# Altium PCB CDH_PCB_reva02.PcbDoc (part 1 of 2)
Units mil, origin at the board's own origin, x right, y up, seen from the top; angles counter-clockwise.
Board outline 4710 x 6365 mil, 4 copper layers (Component Side, Ground Plane, Power Plane, Solder Side), stack 60.8 mil thick; 142 components, 114 nets, 657 pads, 193 vias.
Unrouted connection lines stored in the file: 13.
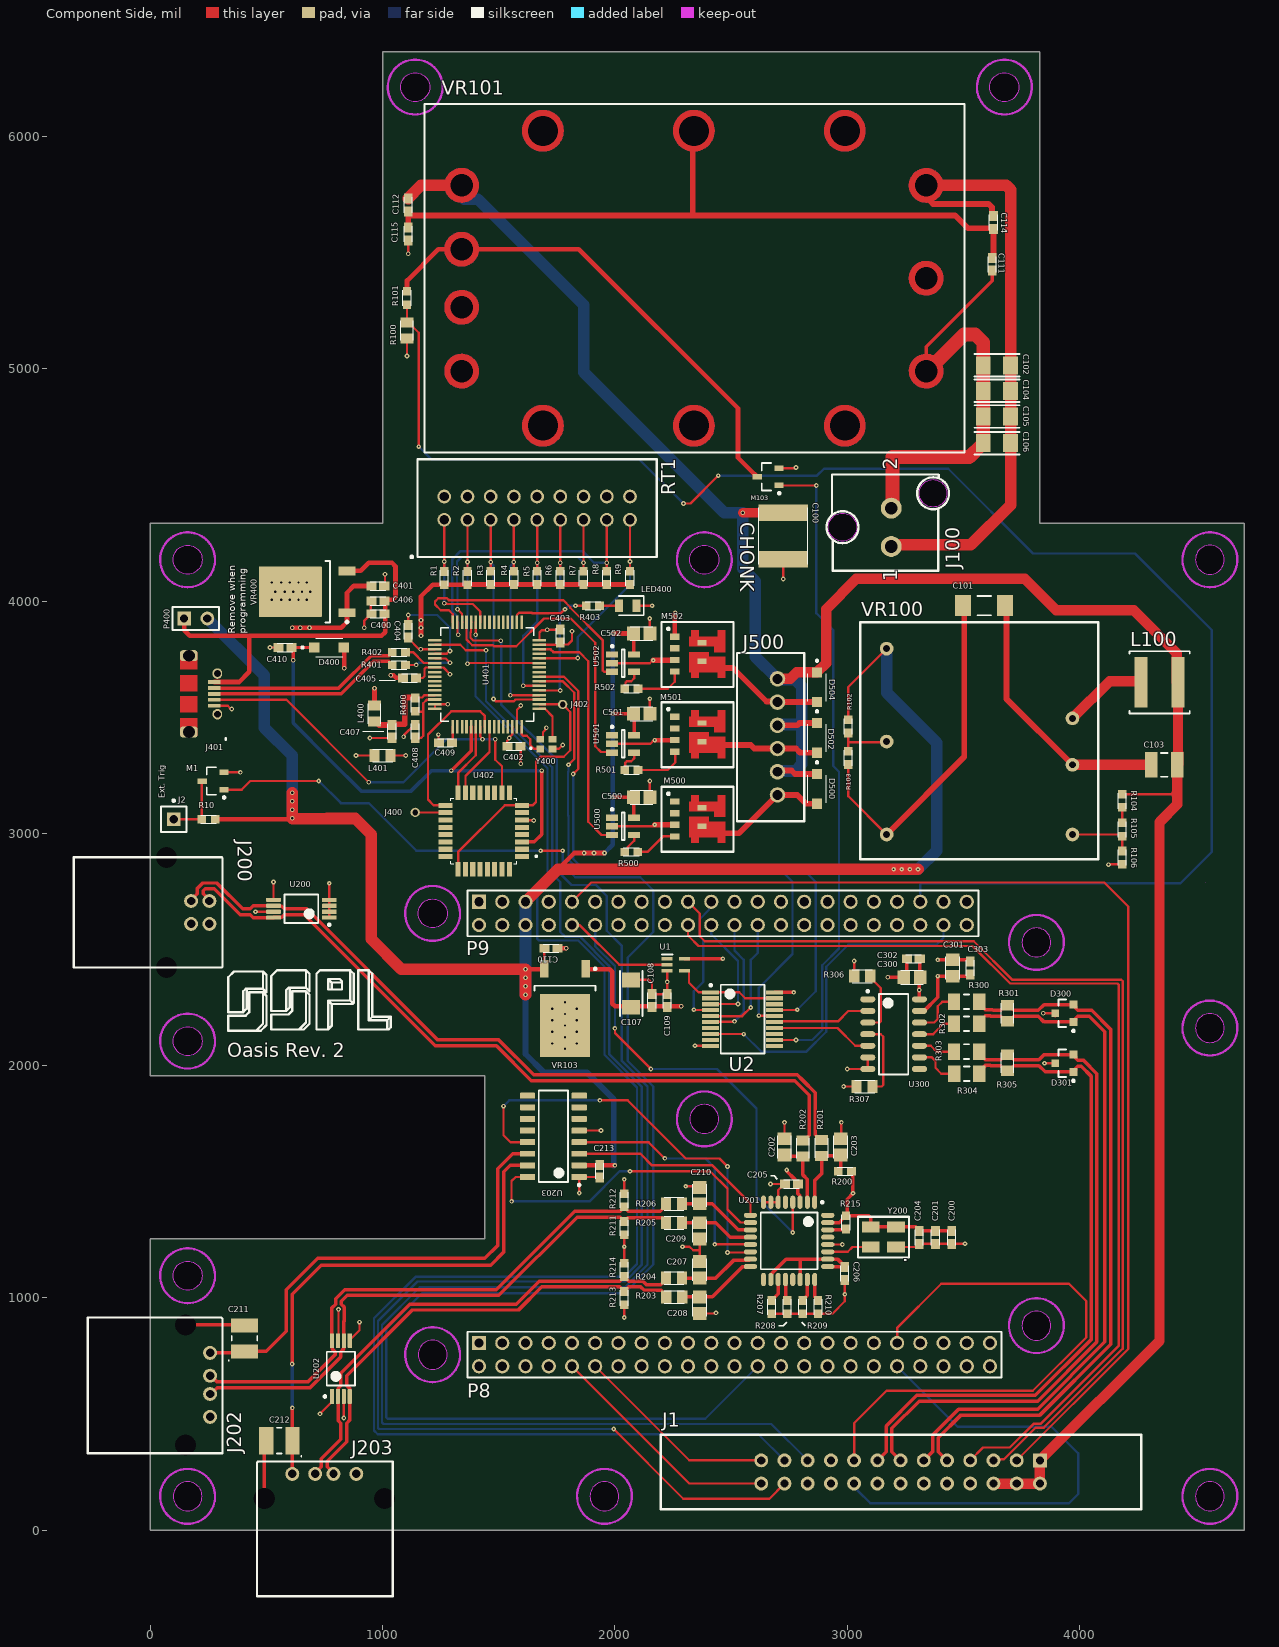
[diagram p0: Component Side view]
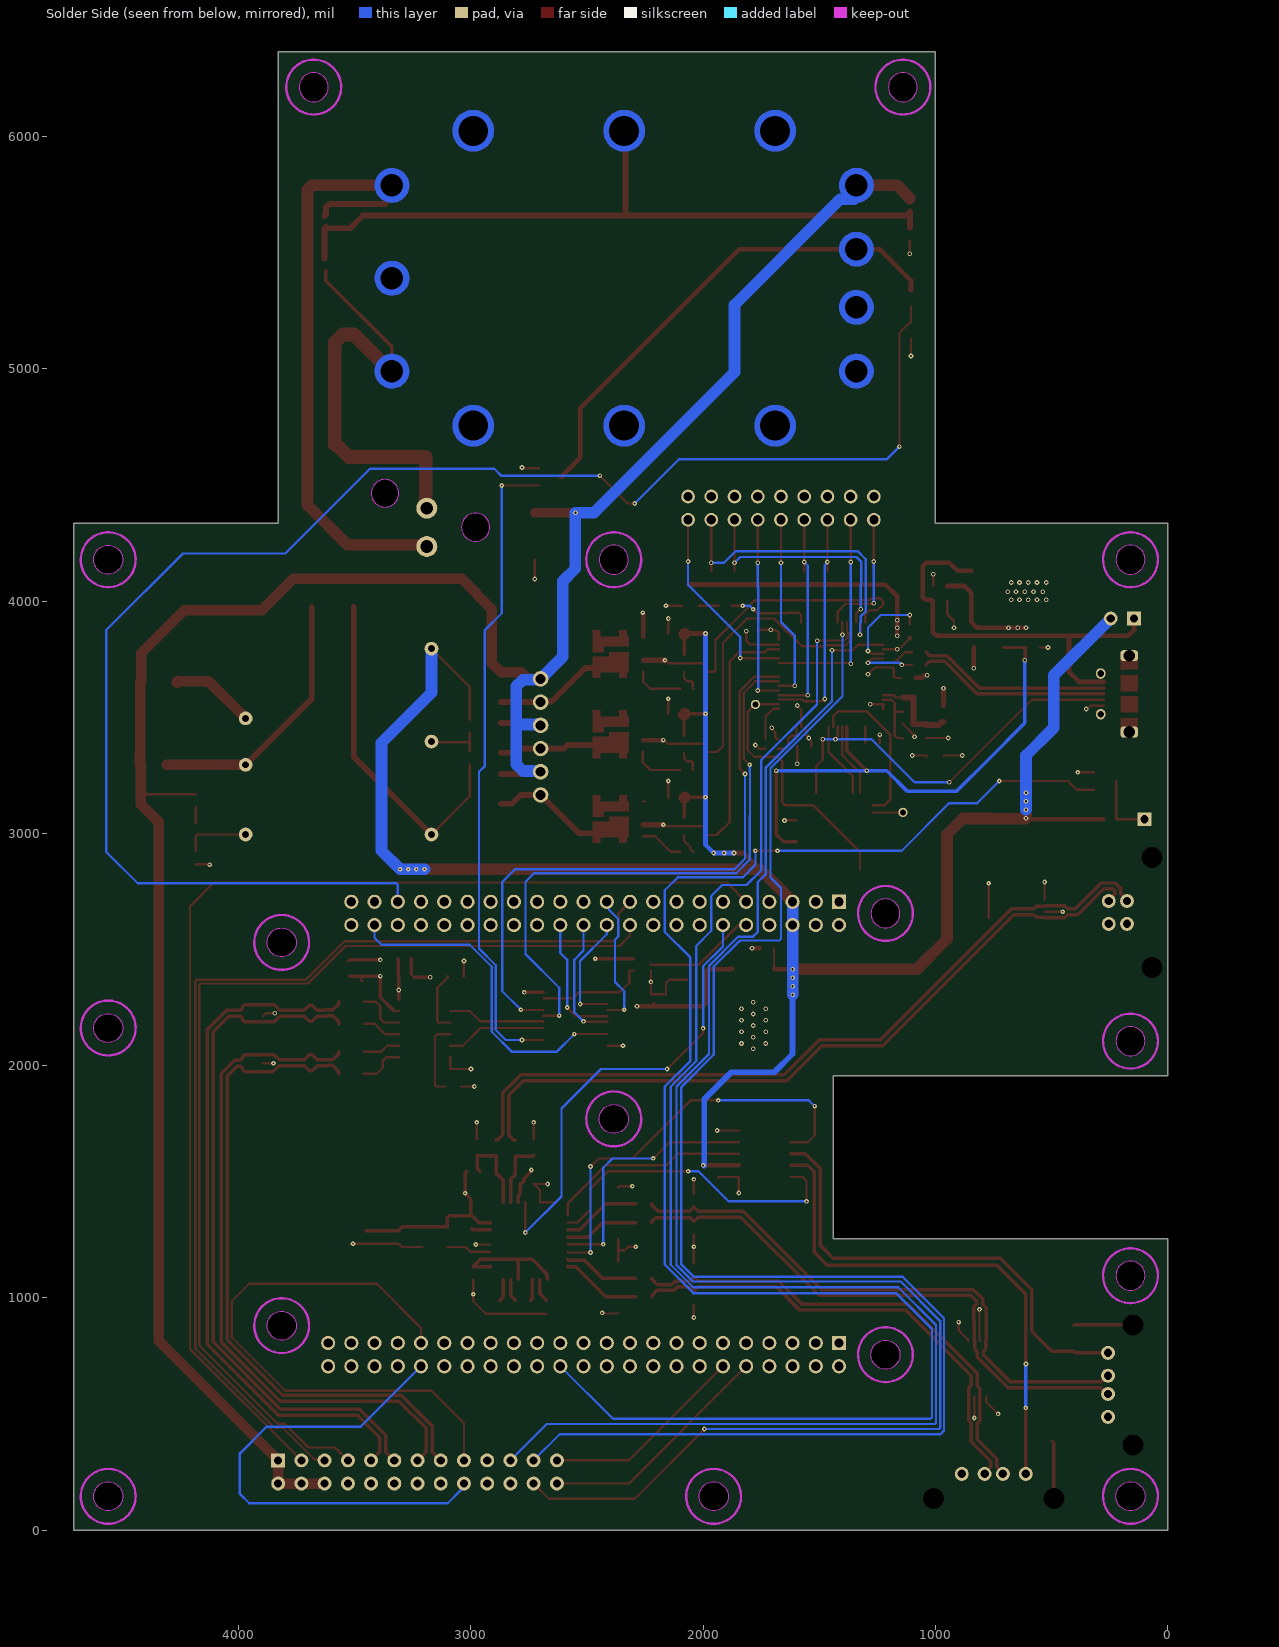
[diagram p1: Solder Side view, seen from below]
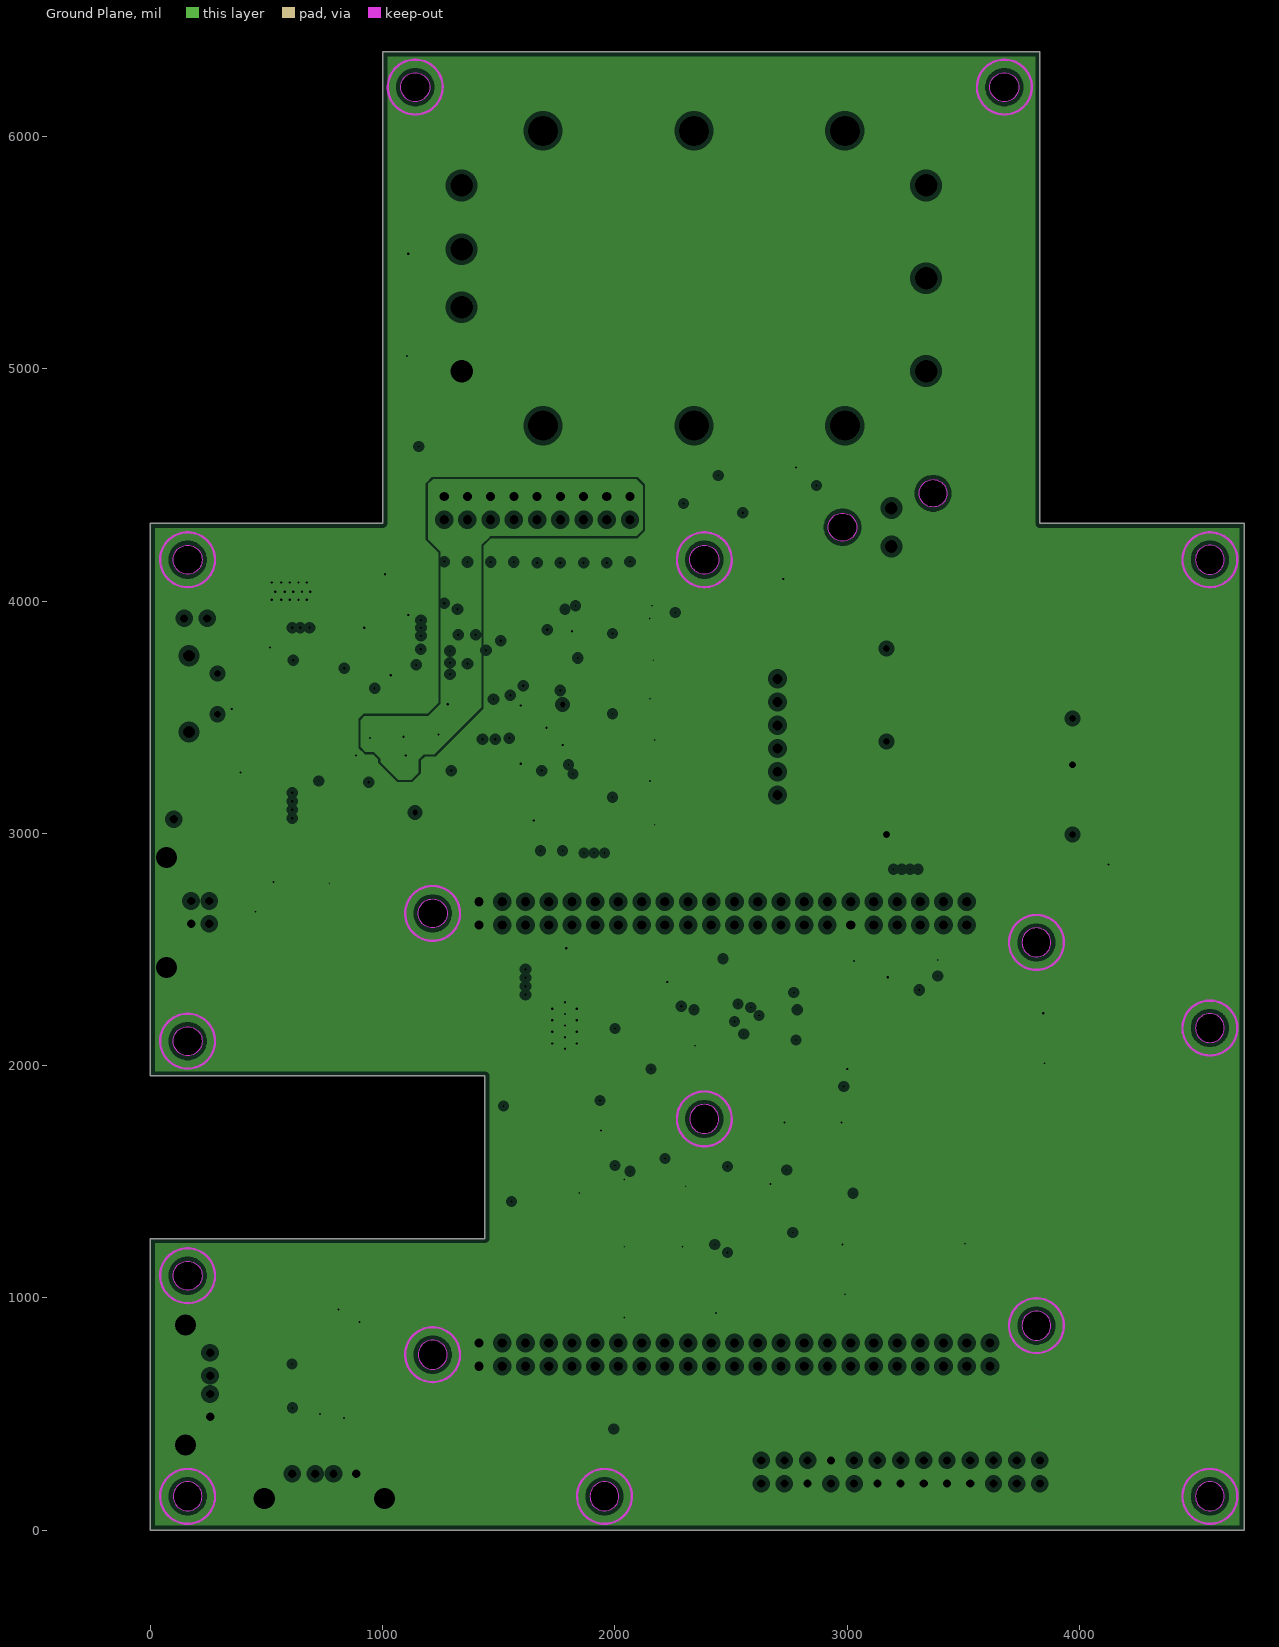
[diagram p2: Ground Plane, clearances drawn from the general rule]
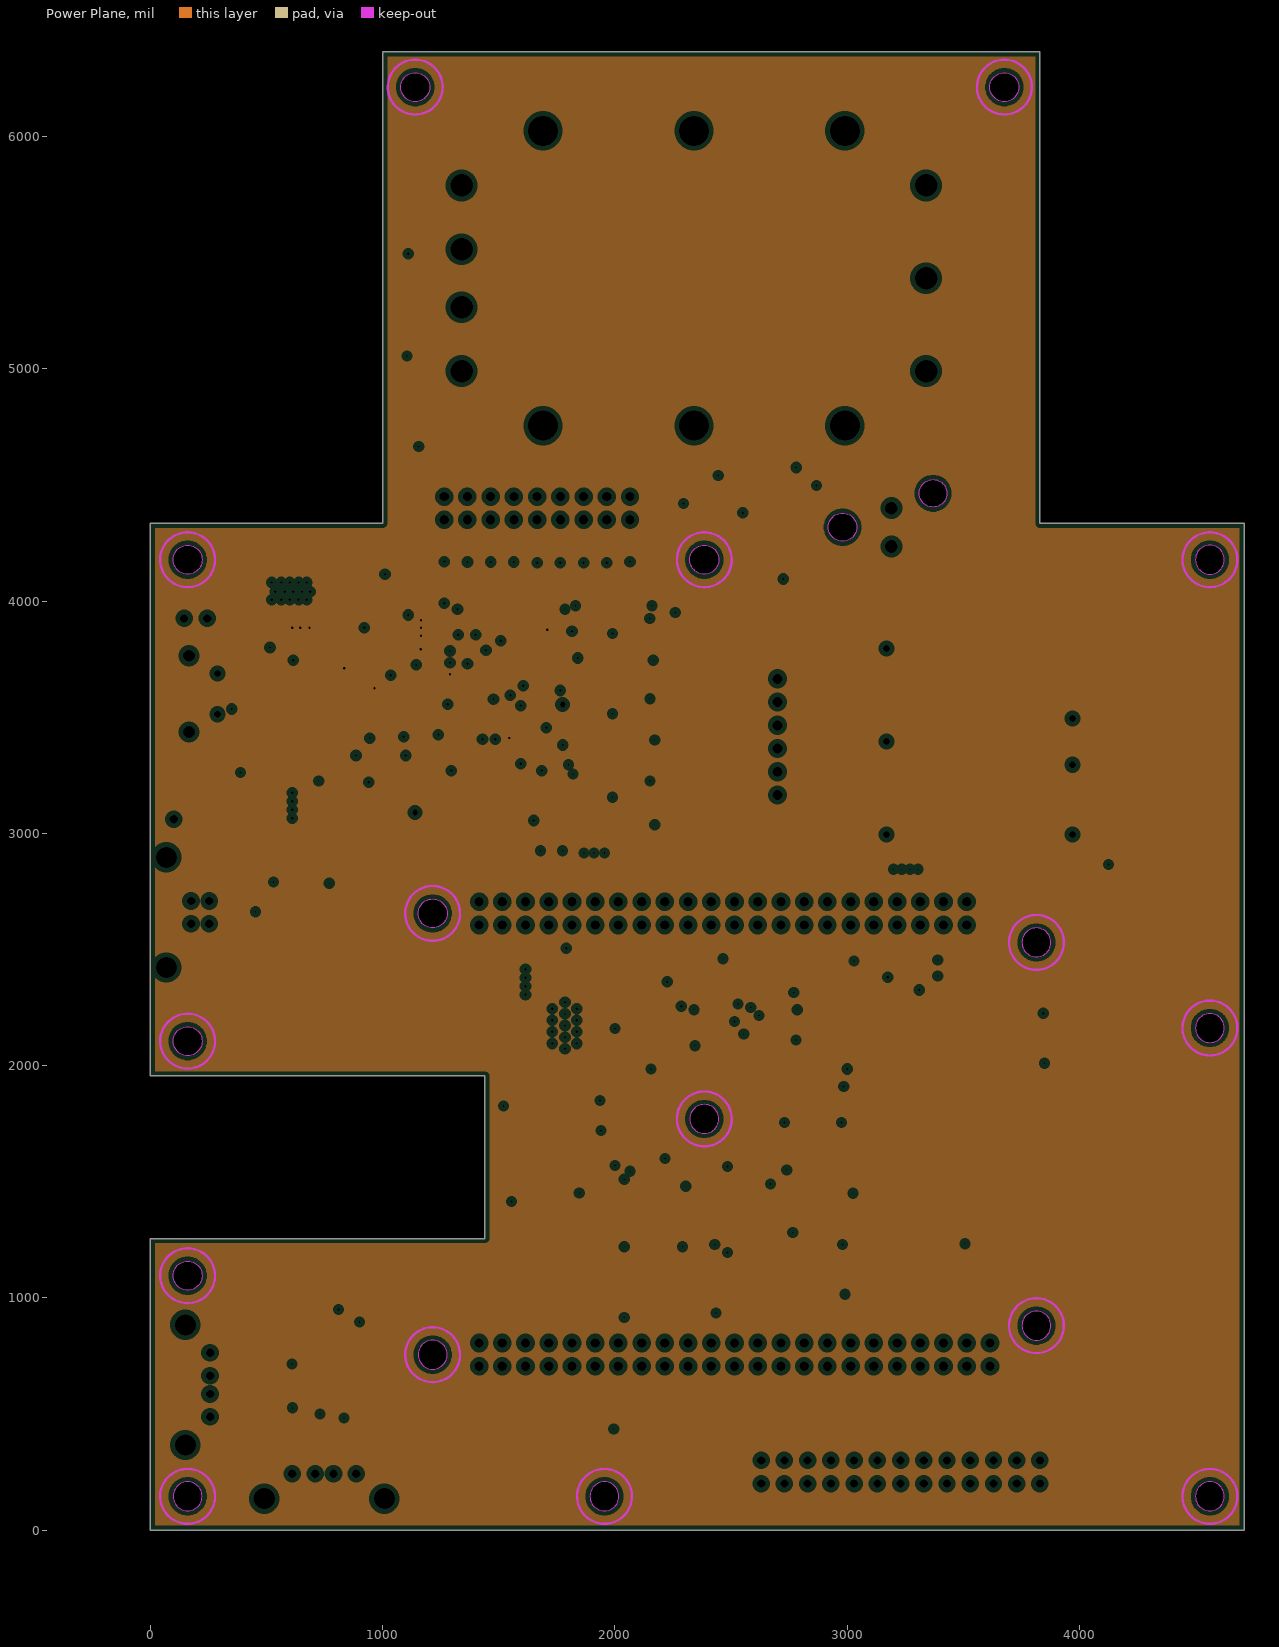
[diagram p3: Power Plane, clearances drawn from the general rule]
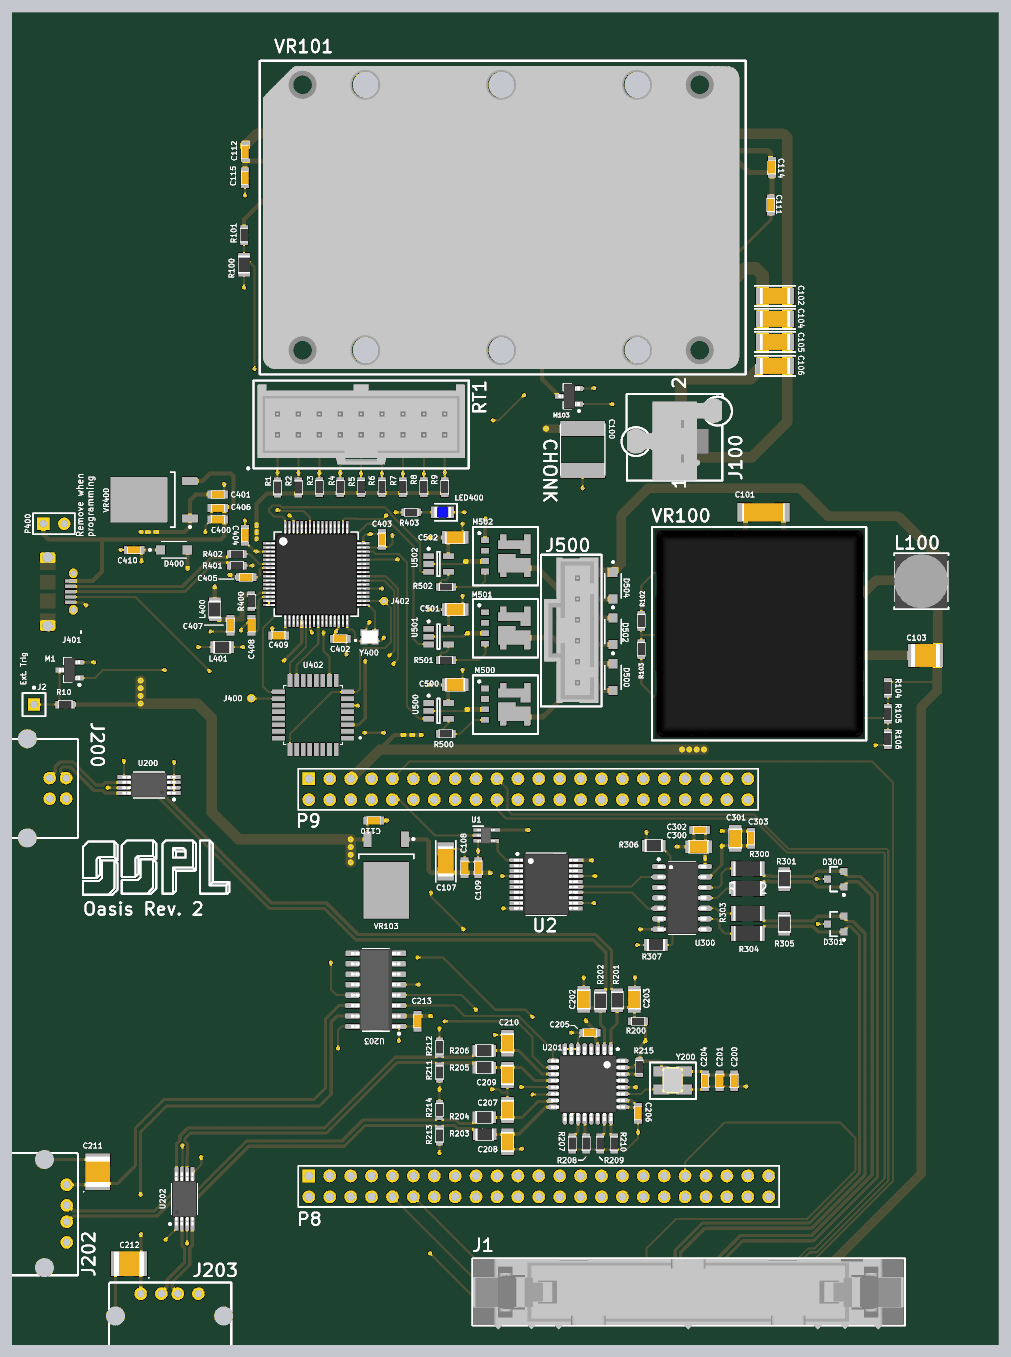
[diagram p5: 3D render of the assembled board from above, using the file's embedded part models]

## Layer stack, top to bottom
Top Solder: solder mask 0.4, Solder Resist, Dk 3.5
Component Side: signal copper 1.4
Dielectric 1: core 7.6, FR-4, Dk 4.8
Ground Plane: plane copper 1.4, net (Multiple Nets)
Dielectric 3: prepreg 40, Dk 4.2
Power Plane: plane copper 1.4, net TN_3V3
Dielectric 4: core 7.6, FR-4, Dk 4.8
Solder Side: signal copper 1.4
Bottom Solder: solder mask 0.4, Solder Resist, Dk 3.5

## Board outline
0,0 0,1255 1440,1255 1440,1955 0,1955 0,4335 1000,4335 1000,6365 3830,6365 3830,4335 4710,4335 4710,0
cut-out: 4499.5,2161.5 ccw(c4562,2161.5) 4562,2099 ccw(c4562,2161.5) 4624.5,2161.5 ccw(c4562,2161.5) 4562,2224 ccw(c4562,2161.5)
cut-out: 1892.5,145 ccw(c1955,145) 1955,82.5 ccw(c1955,145) 2017.5,145 ccw(c1955,145) 1955,207.5 ccw(c1955,145)
cut-out: 4499.5,145 ccw(c4562,145) 4562,82.5 ccw(c4562,145) 4624.5,145 ccw(c4562,145) 4562,207.5 ccw(c4562,145)
cut-out: 4499.5,4178 ccw(c4562,4178) 4562,4115.5 ccw(c4562,4178) 4624.5,4178 ccw(c4562,4178) 4562,4240.5 ccw(c4562,4178)
cut-out: 1140,6150.5 cw(c1140,6213) 1077.5,6213 cw(c1140,6213) 1140,6275.5 cw(c1140,6213) 1202.5,6213 cw(c1140,6213)
cut-out: 3677,6150.5 cw(c3677,6213) 3614.5,6213 cw(c3677,6213) 3677,6275.5 cw(c3677,6213) 3739.5,6213 cw(c3677,6213)
cut-out: 2385,4115.5 cw(c2385,4178) 2322.5,4178 cw(c2385,4178) 2385,4240.5 cw(c2385,4178) 2447.5,4178 cw(c2385,4178)
cut-out: 160,4115.5 cw(c160,4178) 97.5,4178 cw(c160,4178) 160,4240.5 cw(c160,4178) 222.5,4178 cw(c160,4178)
cut-out: 1215,2592.5 cw(c1215,2655) 1152.5,2655 cw(c1215,2655) 1215,2717.5 cw(c1215,2655) 1277.5,2655 cw(c1215,2655)
cut-out: 160,2042.5 cw(c160,2105) 97.5,2105 cw(c160,2105) 160,2167.5 cw(c160,2105) 222.5,2105 cw(c160,2105)
cut-out: 2322.5,1770 ccw(c2385,1770) 2385,1707.5 ccw(c2385,1770) 2447.5,1770 ccw(c2385,1770) 2385,1832.5 ccw(c2385,1770)
cut-out: 3752.5,2530 ccw(c3815,2530) 3815,2467.5 ccw(c3815,2530) 3877.5,2530 ccw(c3815,2530) 3815,2592.5 ccw(c3815,2530)
cut-out: 3752.5,880 ccw(c3815,880) 3815,817.5 ccw(c3815,880) 3877.5,880 ccw(c3815,880) 3815,942.5 ccw(c3815,880)
cut-out: 1152.5,755 ccw(c1215,755) 1215,692.5 ccw(c1215,755) 1277.5,755 ccw(c1215,755) 1215,817.5 ccw(c1215,755)
cut-out: 160,1032.5 cw(c160,1095) 97.5,1095 cw(c160,1095) 160,1157.5 cw(c160,1095) 222.5,1095 cw(c160,1095)
cut-out: 97.5,145 ccw(c160,145) 160,82.5 ccw(c160,145) 222.5,145 ccw(c160,145) 160,207.5 ccw(c160,145)
cut-out: 3310.49,4464 cw(c3370,4464) 3370,4523.51 cw(c3370,4464) 3429.51,4464 cw(c3370,4464) 3370,4404.49 cw(c3370,4464)
cut-out: 2919.1,4318 cw(c2980,4318) 2980,4378.9 cw(c2980,4318) 3040.9,4318 cw(c2980,4318) 2980,4257.1 cw(c2980,4318)
cut-out: 4545,2787.5
cut-out: 3820,425

## Design rules (kind name [scope] priority, off if disabled: settings)
Clearance [All] p1: gap=7 ignorepadtopadclearanceinfootprint=TRUE except(0: Arc-Hole Track-Hole SMDPad-Hole THPad-Hole Via-Hole Fill-Hole Poly-Hole Region-Hole Text-Hole)
DiffPairsRouting [All] p1: maxlimit=10 minlimit=10 mostfreqgap=10 toplayer_minwidth=10 toplayer_maxwidth=15 toplayer_prefwidth=15 bottomlayer_minwidth=10 bottomlayer_maxwidth=15 bottomlayer_prefwidth=15 maxuncoupledlength=500
Height [All] p1: minheight=0 maxheight=1500 prefheight=500
MatchedLengths MatchedLengths_USB_DiffPairs [All] p1: tolerance=150 checknetsindiffpair=TRUE checkdiffpairvsdiffpair=FALSE checkxsignals=FALSE checkothers=FALSE
MaxMinImpedance "Schematic Impedance Constraint_17" [InNet('USB_0_P')] p1: minimum=81.00 maximum=99.00
MaxMinImpedance "Schematic Impedance Constraint_16" [InNet('USB_0_N')] p2: minimum=81.00 maximum=99.00
MaxMinImpedance "Schematic Impedance Constraint_15" [InNet('USB_1_P')] p3: minimum=81.00 maximum=99.00
MaxMinImpedance "Schematic Impedance Constraint_14" [InNet('USB_2_P')] p4: minimum=81.00 maximum=99.00
MaxMinImpedance "Schematic Impedance Constraint_13" [InNet('USB_1_N')] p5: minimum=81.00 maximum=99.00
MaxMinImpedance "Schematic Impedance Constraint_12" [InNet('USB_2_N')] p6: minimum=81.00 maximum=99.00
MaxMinImpedance "Schematic Impedance Constraint_11" [InNet('RS422-Rx_P')] p7: minimum=90.00 maximum=110.0
MaxMinImpedance "Schematic Impedance Constraint_10" [InNet('RS422-Rx_N')] p8: minimum=90.00 maximum=110.0
MaxMinImpedance "Schematic Impedance Constraint_9" [InNet('RS422-Tx_P')] p9: minimum=90.00 maximum=110.0
MaxMinImpedance "Schematic Impedance Constraint_8" [InNet('RS422-Tx_N')] p10: minimum=90.00 maximum=110.0
MaxMinImpedance "Schematic Impedance Constraint_3" [InNet('TEENSY_USB_P')] p11: minimum=40.50 maximum=49.50
MaxMinImpedance "Schematic Impedance Constraint_2" [InNet('TEENSY_USB_N')] p12: minimum=40.50 maximum=49.50
MinimumAnnularRing [All] p1: minimumring=5
MinimumSolderMaskSliver [All] p1: minsoldermaskwidth=1
PlaneClearance [All] p1: clearance=20
PlaneConnect [All] p1: pad.planeconnectstyle=Relief pad.reliefexpansion=20 pad.reliefentries=4 pad.reliefconductorwidth=10 pad.reliefairgap=10 via.planeconnectstyle=Direct via.reliefexpansion=20 via.reliefentries=4 via.reliefconductorwidth=10 via.reliefairgap=10
PolygonConnect [All] p1: connectstyle=Relief reliefconductorwidth=10 reliefentries=4 polygonreliefangle="90 Angle" airgapwidth=10
RoutingVias [All] p1: holewidth=8 width=20 viastyle="Through Hole" minholewidth=8 minwidth=20 maxholewidth=8 maxwidth=20
SilkToSilkClearance [All] p1: silktosilkclearance=1
SilkToSolderMaskClearance [IsPad] p1: minsilkscreentomaskgap=0 clearancetoexposedcopper=TRUE
SolderMaskExpansion [All] p1: expansion=4 istentingtop=FALSE
Width [All] p1: maxlimit=100 minlimit=10 preferedwidth=10
23 further rules are at their usual default settings.

## Classes and differential pairs
component class 200_CDH_USB_2_Hub: C200 C201 C202 C203 C204 C205 C206 C207 C208 C209 C210 C211 C212 C213 J200 J202 J203 R200 R201 R202 R203 R204 R205 R206 R207 R208 R209 R210 R211 R212 R213 R214 R215 U200 U201 U202 U203 Y200
net class 500_HEATERS_Nets: +5 +28 GND NetD500_2 NetD502_2 NetD504_2 NetM500_4 NetM500_G2 NetM501_4 NetM501_G2 NetM502_4 NetM502_G2 NetR500_1 NetR501_1 NetR502_1 NetU401_46 NetU401_61 NetU401_64 NetU500_1 NetU501_1 NetU502_1
component class 500_HEATERS: C500 C501 C502 D500 D502 D504 J500 M500 M501 M502 R500 R501 R502 U500 U501 U502
net class 400_TEENSY_Nets: +5 GND NetC400_1 NetC407_1 NetC407_2 NetC408_1 NetC409_2 NetC410_1 NetJ1_21 NetJ1_23 NetJ1_24 NetJ400_1 NetJ401_4 NetJ402_1 NetLED400_2 NetR1_1 NetR2_1 NetR3_1 NetR4_1 NetR5_2 NetR6_1 NetR7_1 NetR8_1 NetR9_1 NetR401_1 NetR402_1 NetR403_2 NetU2_16 NetU2_17 NetU401_22 NetU401_24 NetU401_25 NetU401_32 NetU401_33 NetU401_46 NetU401_61 NetU401_64 TEENSY_USB_N TEENSY_USB_P TN_3V3
net class 300_CDH_RS422_Nets: 3V3 GND NetR300_1 NetR302_1 NetR303_1 NetR304_1 NetR306_2 NetR307_2 NetU2_14 NetU2_15 RS422-Rx_N RS422-Rx_P RS422-Tx_N RS422-Tx_P
net class 100_POWER_Nets: 3V3 +5 +28 +48 GND GND_48V GND_BASEPLATE NetL100_2 NetM103_1 NetM103_3 NetP9_39 NetR102_2 NetR104_2 NetR105_2
net class 000_BBB_Pinouts_Nets: 3V3 +5 +28 GND NetC407_2 NetJ1_3 NetJ1_5 NetJ1_7 NetJ1_17 NetJ1_18 NetJ1_21 NetJ1_23 NetJ1_24 NetJ1_25 NetJ1_26 NetJ2_1 NetM1_1 NetM103_1 NetP9_10 NetP9_12 NetP9_21 NetP9_22 NetP9_24 NetP9_26 NetP9_39 NetP9_42 NetR1_1 NetR2_1 NetR3_1 NetR4_1 NetR5_2 NetR6_1 NetR7_1 NetR8_1 NetR9_1 NetU1_4 NetU2_14 NetU2_15 NetU2_16 NetU2_17 RS422-Rx_N RS422-Rx_P RS422-Tx_N RS422-Tx_P TN_3V3
component class 400_TEENSY: C400 C401 C402 C403 C404 C405 C406 C407 C408 C409 C410 D400 J400 J401 J402 L400 L401 LED400 P400 R400 R401 R402 R403 U401 U402 VR400 Y400
component class 100_POWER: C100 C101 C102 C103 C104 C105 C106 C107 C108 C109 C110 C111 C112 C114 C115 J100 L100 M103 R100 R101 R102 R103 R104 R105 R106 VR100 VR101 VR103
component class 300_CDH_RS422: * C300 C301 C302 C303 D300 D301 R300 R301 R302 R303 R304 R305 R306 R307 U300
component class 000_BBB_Pinouts: J1 J2 M1 P8 P9 R1 R2 R3 R4 R5 R6 R7 R8 R9 R10 RT1 U1 U2
differential pair USB_2: +USB_2_P -USB_2_N
differential pair USB_1: +USB_1_P -USB_1_N
differential pair USB_0: +USB_0_P -USB_0_N
differential pair TEENSY_USB: +TEENSY_USB_P -TEENSY_USB_N
differential pair RS422-Tx: +RS422-Tx_P -RS422-Tx_N
differential pair RS422-Rx: +RS422-Rx_P -RS422-Rx_N

## Components (designator, comment, footprint, x,y, rotation, side; value= is the part's Value field where it differs from the comment)
C100 "0.2uF Capactor, high voltage" CAA572C0G2J204J640LH 2730,4279.61 r90 top value=0.2uF
C101 "680pF Cap" Imperial1808_CAP 3590,3980 r180 top value=680pF
C102 "C1206X824J1RACAUTO" IMPERIAL1206_CAPACITOR 3645,5015 r180 top value=0.82uF
C103 "10uF Capacitor" Imperial1210_Cap 4365,3295 r0 top value=10uF
C104 "C1206X824J1RACAUTO" IMPERIAL1206_CAPACITOR 3645,4905 r180 top value=0.82uF
C105 "C1206X824J1RACAUTO" IMPERIAL1206_CAPACITOR 3645,4795 r180 top value=0.82uF
C106 "C1206X824J1RACAUTO" IMPERIAL1206_CAPACITOR 3645,4680 r180 top value=0.82uF
C107 "C1206X106K8RACAUTO" IMPERIAL1206_CAPACITOR 2070,2310 r270 top value=10uF
C108 "0.1uF Capacitor" IMPERIAL0603_Capacitor 2160,2280 r270 top value=0.1uF
C109 "1 uF Capacitor" IMPERIAL0603_Capacitor 2225,2280 r270 top value=1uF
C110 "1 uF Capacitor" IMPERIAL0603_Capacitor 1725,2505 r180 top value=1uF
C111 "4.7nF Capacitor" IMPERIAL0603_Capacitor 3625,5450 r90 top value=4.7nF
C112 "4.7nF Capacitor" IMPERIAL0603_Capacitor 1110,5705 r270 top value=4.7nF
C114 "4.7nF Capacitor" IMPERIAL0603_Capacitor 3630,5630 r90 top value=4.7nF
C115 "4.7nF Capacitor" IMPERIAL0603_Capacitor 1110,5580 r90 top value=4.7nF
C200 "10nF Capacitor" IMPERIAL0603_Capacitor 3450,1260 r90 top value=10nF
C201 "10nF Capacitor" IMPERIAL0603_Capacitor 3380,1260 r90 top value=10nF
C202 "22pF capacitor" IMPERIAL0805_CAPACITOR 2730,1649.57 r270 top value=22pF
C203 "22pF capacitor" IMPERIAL0805_CAPACITOR 2972.28,1649.57 r90 top value=22pF
C204 "10nF Capacitor" IMPERIAL0603_Capacitor 3310,1260 r90 top value=10nF
C205 "100pF Capacitor" IMPERIAL0603_Capacitor 2760,1490 r0 top value=100pF
C206 "100pF Capacitor" IMPERIAL0603_Capacitor 2990,1105 r270 top value=100pF
C207 "22pF capacitor" IMPERIAL0805_CAPACITOR 2365,1120.43 r270 top value=22pF
C208 "22pF capacitor" IMPERIAL0805_CAPACITOR 2365.55,967.9 r270 top value=22pF
C209 "22pF capacitor" IMPERIAL0805_CAPACITOR 2365,1287.9 r90 top value=22pF
C210 "22pF capacitor" IMPERIAL0805_CAPACITOR 2365,1440 r90 top value=22pF
C211 "F910J107MBAAJ6" POLAR_CAP_SMD_EIA2010 405,825 r90 top value=100uF
C212 "F910J107MBAAJ6" POLAR_CAP_SMD_EIA2010 555,385 r180 top value=100uF
C213 "0.1uF Capacitor" IMPERIAL0603_Capacitor 1935,1545 r90 top value=0.1uF
C300 "0.2uF Capacitor" IMPERIAL0805_CAPACITOR 3279.49,2380 r180 top value=0.2uF
C301 "0.2uF Capacitor" IMPERIAL0805_CAPACITOR 3455,2420 r90 top value=0.2uF
C302 "1 uF Capacitor" IMPERIAL0603_Capacitor 3285,2460 r180 top value=1uF
C303 "1 uF Capacitor" IMPERIAL0603_Capacitor 3530,2420 r90 top value=1uF
C400 "2.2uF Capacitor" IMPERIAL0603_Capacitor 980,3945 r180 top value=2.2uF
C401 "2.2uF Capacitor" IMPERIAL0603_Capacitor 979.29,4065 r0 top value=2.2uF
C402 "2.2uF Capacitor" IMPERIAL0603_Capacitor 1565,3375 r0 top value=2.2uF
C403 "0.1uF Capactor" IMPERIAL0603_Capacitor 1765,3850 r270 top value=0.1uF
C404 "0.1uF Capactor" IMPERIAL0603_Capacitor 1110,3870 r90 top value=0.1uF
C405 "0.1uF Capactor" IMPERIAL0603_Capacitor 1115,3669 r180 top value=0.1uF
C406 "2.2uF Capacitor" IMPERIAL0603_Capacitor 980,4000 r180 top value=2.2uF
C407 "2.2uF Capacitor" IMPERIAL0603_Capacitor 1040,3439 r270 top value=2.2uF
C408 "0.1uF Capactor" IMPERIAL0603_Capacitor 1140,3439 r90 top value=0.1uF
C409 "0.1uF Capactor" IMPERIAL0603_Capacitor 1270,3390 r0 top value=0.1uF
C410 "0.1uF Capactor" IMPERIAL0603_Capacitor 579.29,3800 r180 top value=0.1uF
C500 "10uF Capacitor" IMPERIAL0805_CAPACITOR 2115,3155 r180 top value=10uF
C501 "10uF Capacitor" IMPERIAL0805_CAPACITOR 2115,3515 r180 top value=10uF
C502 "10uF Capacitor" IMPERIAL0805_CAPACITOR 2115,3860 r180 top value=10uF
D300 "CDSOT23-SM712" BOUR-SOT23-3_V 3935,2225 r180 top
D301 "CDSOT23-SM712" BOUR-SOT23-3_V 3935,2010 r180 top
D400 "STPS1L40ZF" *SODFL3718X108N 769.76,3800 r0 top